# Altium PCB WUT-4-3-3.PcbDoc (part 3 of 4) (continued)
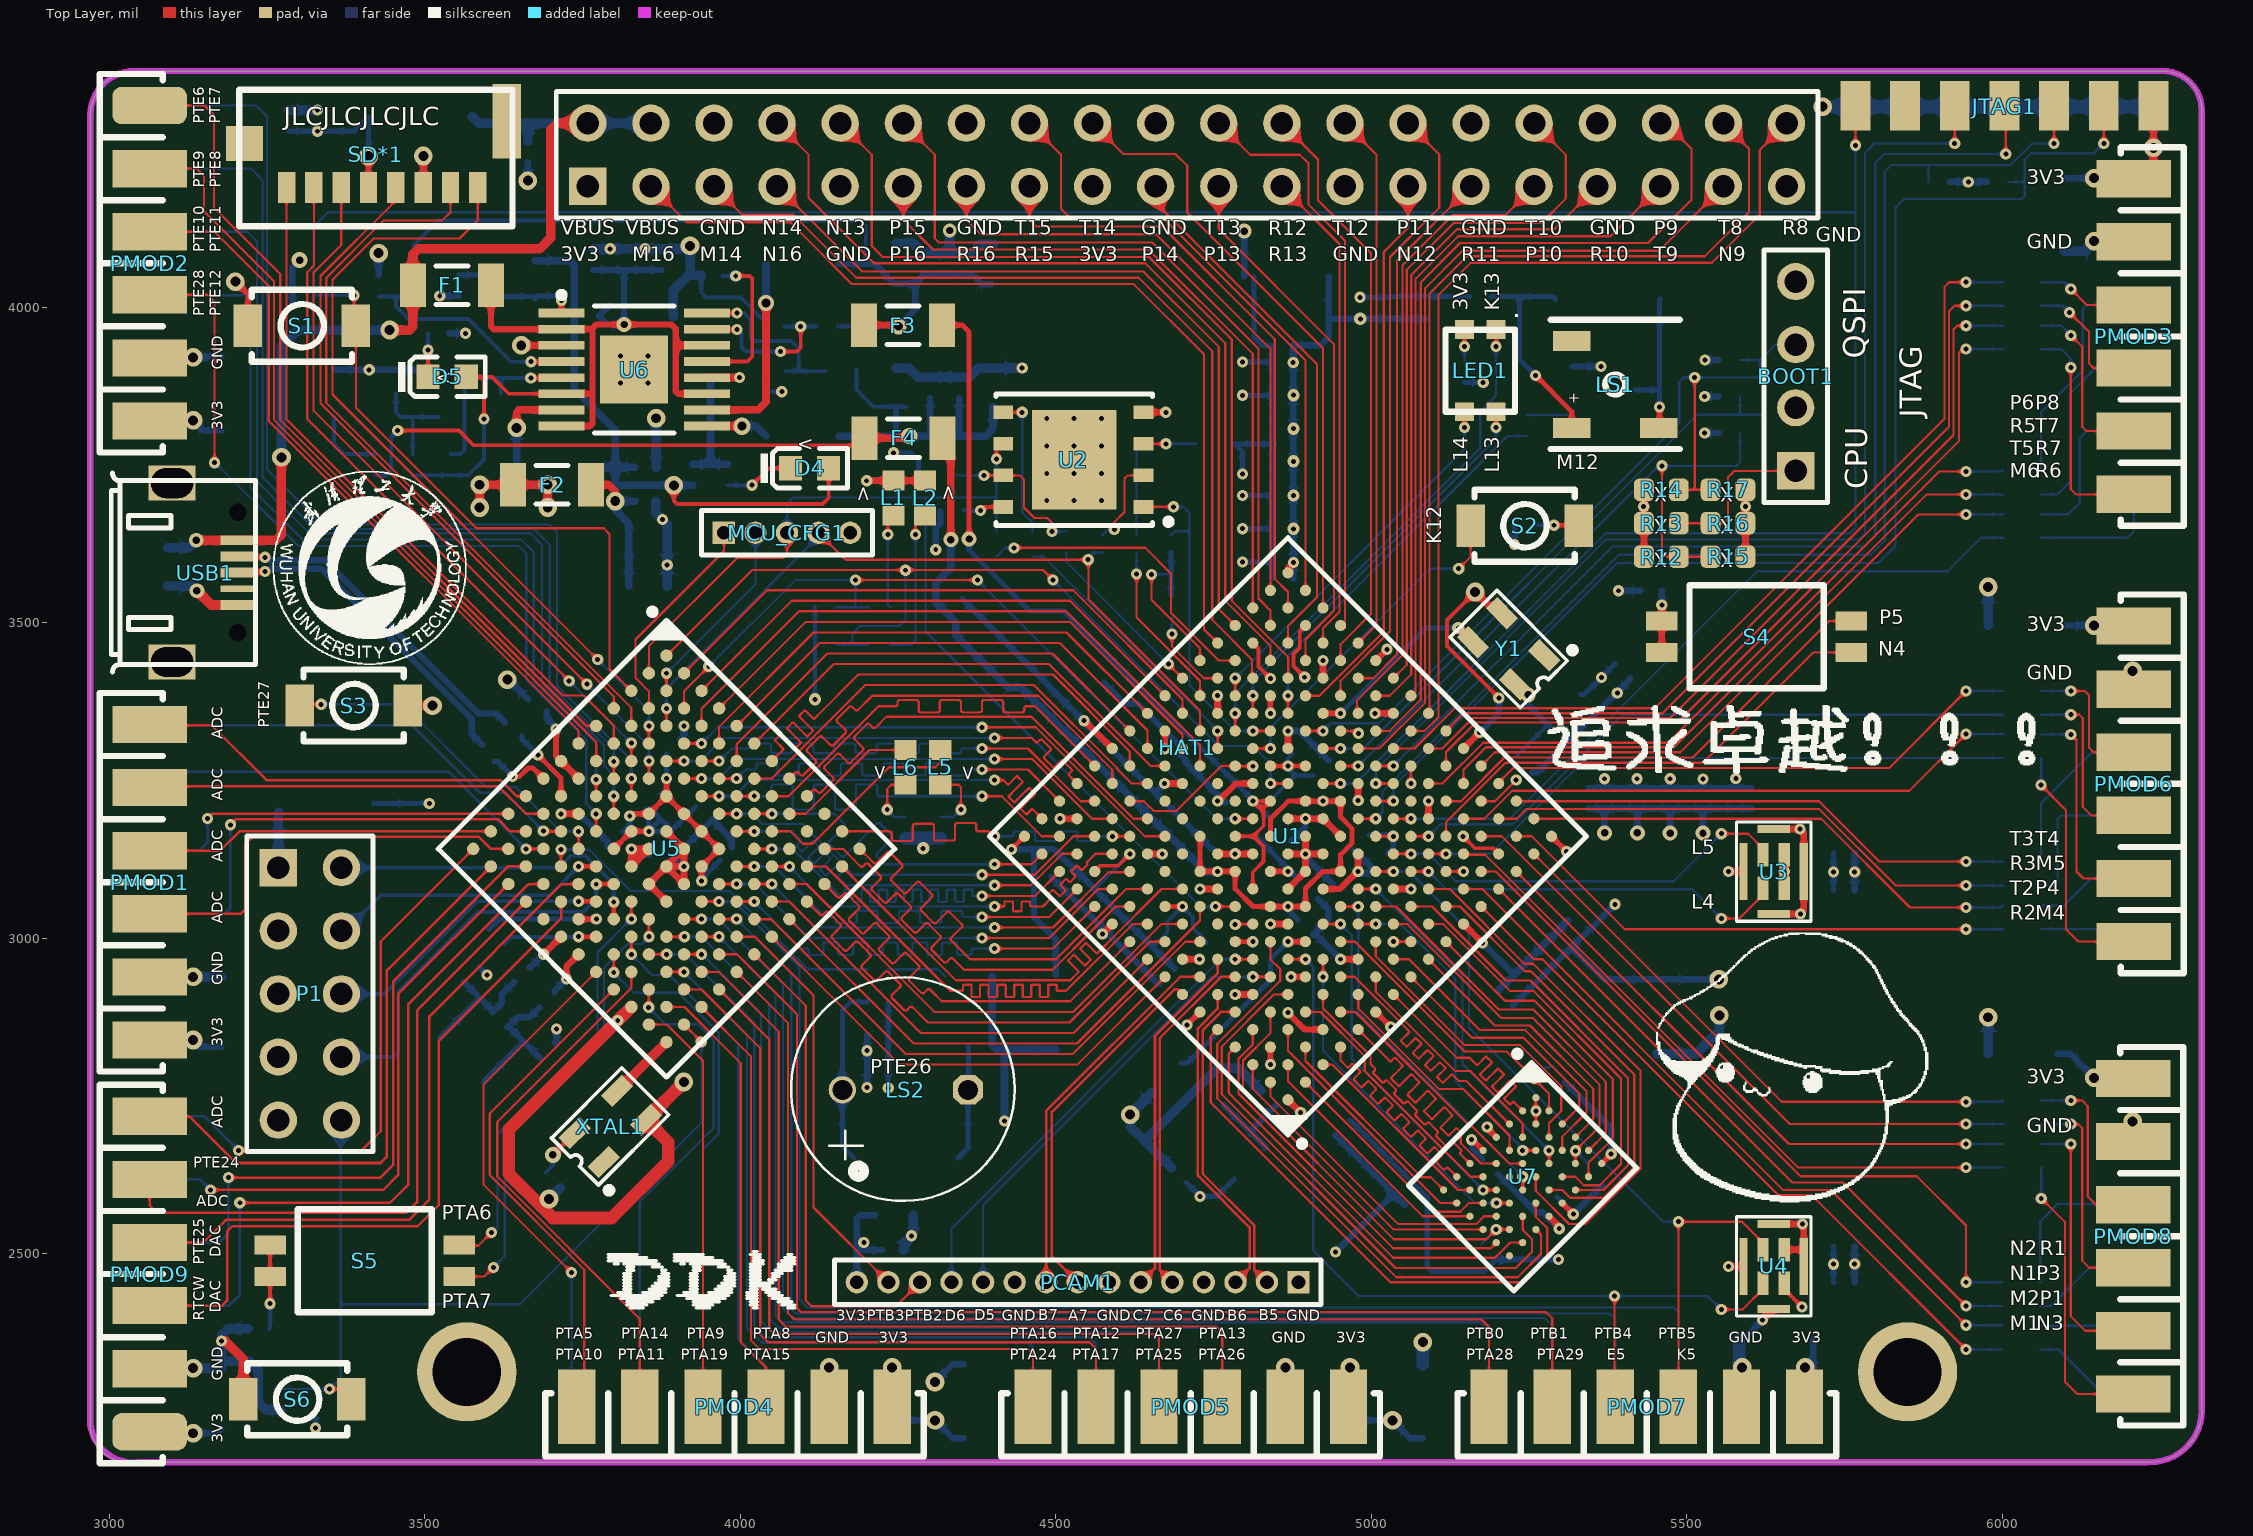
[diagram p0: Top Layer view]
## Nets (pads, with @x,y where several pads share a name; then routed paths per layer and width w, separated by ;. In a path a pad name is that pad's centre, name@x,y a point inside that pad or via, vN(x,y) a via of type N, cw(c..) or ccw(c..) an arc to the next point about the centre after c; other vN are vias at no path point) (continued)
  Top Layer w3.5: U7.B2@5261.1,2705.72 U7.A1@5261.1,2747.48 ; v1(5298.22,2539.84) 5298.22,2542.36 v1@5298.71,2542.84
  Top Layer w6: U1.N15@4812.48,3468.07 4821.46,3459.09 4821.46,3430.85 v1(4840.32,3411.99) ; v1(5146,3161.84) 5164.86,3142.98 5193.25,3142.98 U1.P2@5202.23,3134 ; v2(5164.88,3549.08) 5120.4,3504.61 5120.4,3463.3 v1(5202.45,3381.25)
  Top Layer w8: v2(3200,4041) 3219.74,4021.26 S1.1@3219.74,3971
  Top Layer w10: S3.2@3473,3369 v2(3512.37,3369) ; SD*1.6@3497.61,4190 3498,4190.39 v2(3498,4240) ; v2@3649,3939.97 U6.3@3716.84,3939.97 ; v1@3716.6,3197.52 U5.H3@3743.97,3197.52 ; U5.H8@3883.16,3058.32 U5.H7@3855.32,3086.16 U5.G7@3883.16,3114 ; U5.F6@3883.16,3169.68 U5.F7@3911,3141.84 ; v1@4200.8,3725.56 L1.2@4243,3725.56 L2.2@4293,3725.56 ; v1(4506.74,3189.68) U1.C15@4534.1,3189.68 ; v1(4545,3345) 4545.81,3345 U1.F16@4589.77,3301.03 ; v1(4574,3007) 4574.13,3007 U1.A11@4589.77,3022.64 ; U2.4@4639.46,3833.84 v1(4674.67,3833.84) ; U1.D12@4645.45,3134 v1(4669,3134) ; v1(4672.77,3245.36) U1.G13@4701.13,3245.36 ; U1.B8@4701.13,2966.97 v1(4728.06,2966.97) ; v1(4728.97,3078.32) U1.E9@4756.81,3078.32 ; U1.F10@4756.81,3134 U1.G9@4812.48,3134 ; U1.K14@4756.81,3356.71 v1(4756.81,3384.68) ; v1@4757,3217 4785.36,3245.36 U1.J11@4812.48,3245.36 ; v1(4784.65,2911.29) U1.C5@4812.48,2911.29 ; v1(4840.32,3022.64) U1.F6@4868.16,3022.64 ; U1.A1@4868.16,2744.26 v1(4888.42,2724) ; v1(4868.16,2882.24) 4875.93,2874.47 4887.02,2863.42 4894.79,2855.61 U1.D2@4923.84,2855.61 ; U1.J9@4868.16,3189.68 U1.K8@4923.84,3189.68 U1.K7@4951.68,3161.84 ; U1.L11@4868.16,3301.03 v1(4868.16,3328.87) ; U1.T16@4868.16,3579.42 4868.16,3587.16 v1(4877.01,3596.01) ; U1.H6@4923.84,3078.32 4950.51,3078.32 4975.19,3103 4979.52,3103 U1.K6@4979.52,3134 ; U1.P12@4923.84,3412.39 v1(4923.84,3440.23) ; v1(4951.68,2966.97) U1.G3@4979.52,2966.97 ; v1(4979.52,3218.5) U1.M8@4979.52,3245.36 ; v1(5006.34,3356.71) U1.R9@5035.19,3356.71 ; U1.K4@5035.19,3078.32 v1(5063.03,3078.32) ; U1.N5@5090.87,3189.68 v1(5090.87,3217.52) ; U1.L1@5146.55,3022.64 v1(5176.73,2992.46) ; U1.T6@5146.55,3301.03 v1(5172.15,3326.63) v1@5173.22,3326.63 ; v2(5164.88,3549.08) Y1.2@5195.57,3518.39 ; v1@5183.22,2700.08 U7.D1@5198.47,2684.84 ; U7.E6@5281.98,2559.56 v1@5298.71,2542.84 ; v1(5566.24,2480) U4.6@5590.26,2480 ; v1(5566.24,3106) U3.6@5590.26,3106 ; R15.1@5593.28,3605 R16.1@5593.28,3658 v1(5593.28,3684.5) R17.1@5593.28,3711 ; v1(5620.52,2395.1) U4.5@5638,2412.58 ; U4.7@5638,2547.42 v1(5683.58,2547.42) 5685.74,2545.26 U4.8@5685.74,2508 ; U3.5@5638,3038.58 v1(5680.58,3038.58) 5685.74,3043.74 U3.8@5685.74,3106 5685.74,3167.26 v1(5679.58,3173.42) U3.7@5638,3173.42 ; U4.3@5654.73,2506.57 5684.31,2506.57 U4.8@5685.74,2508 ; U4.8@5685.74,2480 U4.8@5685.74,2508 ; U5.G7@3883.16,3114 3910,3114 v1@3911,3115 ; U5.G7@3883.16,3114 U5.G8@3911,3086.16 v1@3911,3115 ; U5.G7@3883.16,3114 U5.F7@3911,3141.84 ; v1@3911,3115 U5.F7@3911,3141.84
  Top Layer w15: v1(3178,2362) 3183.68,2362 3212.42,2333.26 S6.1@3212.42,2269.69
  Top Layer w16: v4(3139,3551) 3161.36,3528.64 USB1.5@3204,3528.64
  Top Layer w20: v2@3696,2587 3685.59,2576.59 3683.48,2576.59 ; U5.M10@3827.48,2891.29 v1(3806,2869.81) 3633.22,2697.03 3633.22,2626.84 3683.48,2576.59 ; v2(3910.78,2772.43) XTAL1.2@3850.62,2712.27 3886.22,2676.66 3886.22,2646.84 3796.22,2556.84 3703.22,2556.84 3683.48,2576.59
  Bottom Layer w6: R39.2@3938.27,4050.73 3938.27,4023.73 3946,4016 4001,4016 4037.27,3979.73 R47.1@4037.27,3970 ; R46.1@4038.27,3899 4038.27,3873.23 4045,3866.5 v1(4066,3866.5) ; 5225.66,2943.56 5227.44,2943.56
  Bottom Layer w8: C100.2@3586.06,2954.43 v1(3598.58,2941.9)
  Bottom Layer w10: v2(3133,3921) 3134.47,3922.47 C64.1@3178,3922.47 ; Q4.2@3356.19,3901.22 v1(3412,3901.22) Q3.2@3522.22,3901.21 ; R53.1@3427.04,4051.01 v2(3427.04,4086) ; v1(3523.85,4018.27) R52.1@3554,4018.27 ; R51.1@3538.73,3959 v1(3564.94,3959) ; v2@3632,3411 R55.1@3664.17,3378.83 ; v2(3663.58,4201) C62.1@3663.58,4230.27 ; C99.2@3706.16,2834.67 3709,2837.51 v1(3709,2856.28) ; v1@3716.6,3197.52 3745.14,3197.52 3763.99,3178.66 3764.29,3178.66 3790.17,3152.78 C103.1@3790.17,3145.52 ; v3@3846.73,3930.16 v3(3853.65,3923.24) ; R61.2@3878.7,3109 3878.7,3110.97 3896.36,3128.64 ; C102.1@3904.83,3315.83 3911,3322 v1(3911,3336.71) ; v1@3911,3115 3897.36,3128.64 3896.36,3128.64 ; C104.1@3986.83,3144.36 3986.83,3156.66 3955.61,3187.88 3896.36,3128.64 ; v1(4201.27,2763.72) C66.1@4201.27,2797 C65.1@4201.27,2847 ; v2(4308.81,2296.82) 4337.16,2325.16 C69.1@4354,2325.16 ; v1(4310,3616) 4310,3650.35 4317.27,3657.61 C1.2@4317.27,3677 ; C35.1@4352.49,3537.67 4489.45,3400.71 C22.1@4489.45,3399.13 4658,3230.58 ; C25.1@4493.02,3097.89 v1@4579.44,3011.46 ; v1(4574,3007) 4578.46,3011.46 v1@4579.44,3011.46 ; C44.1@4576.08,3405.17 4609.24,3372 4630.16,3372 4695.43,3306.74 4695.43,3293.35 C46.1@4707.95,3280.82 ; C30.1@4664.65,2928.08 4662.83,2928.08 v1@4579.44,3011.46 ; v1(4672.77,3245.36) 4658,3230.58 ; C46.1@4705.46,3279.17 4769.17,3215.46 C43.1@4769.17,3215.17 ; C59.1@4748.16,3141.84 4746.74,3141.84 4658,3230.58 ; v1(4868.16,3328.87) 4885.79,3328.87 C47.1@4899.32,3315.35 ; C6.2@4872.83,3153.83 4896,3177 v1(4896,3189.68) 4924.66,3189.68 C32.1@4929.17,3185.17 ; C49.1@4876.58,3570 C50.1@4876.58,3622.86 C51.1@4876.58,3675.71 C52.1@4876.58,3728.57 C53.1@4876.58,3781.43 C54.1@4876.58,3834.29 C55.1@4876.58,3887.14 v1(4876.58,3913) C56.1@4876.58,3940 ; C56.1@4878.85,3940 4920.08,3940 4932.81,3952.73 4932.81,3982 ; C47.1@4899.32,3316.67 C47.1@4899.32,3315.35 ; L3.1@4916.17,3062.17 4932,3046.34 4932,3029.57 C21.1@4907.83,3005.4 4913.24,3005.4 v1(4951.68,2966.97) ; C18.1@4932.81,4049 4932.81,3982 ; C48.1@4932.83,3281.83 C47.1@4899.32,3315.35 ; C10.1@4942.97,2688.04 5035.77,2595.24 ; v1(4943.53,2503) 5035.77,2595.24 ; C9.2@4973.17,3140.17 C8.2@5002.17,3111.17 4994,3103 v1@4979.52,3103 ; C13.1@5053.54,2578.01 5053,2578.01 5035.77,2595.24 ; C61.1@5086.96,3982.11 4932.92,3982.11 4932.81,3982 ; v1@5173.22,3326.63 5202.45,3355.86 v1(5202.45,3381.25) ; v1@5176.76,2992.46 5225.66,2943.56 ; C108.1@5201.33,2626.17 5261.33,2566.17 5271.89,2566.17 v1(5298.22,2539.84) ; v1(5227.27,3624.43) R35.2@5227.27,3654.83 ; C3.1@5255.83,3263.17 5263.23,3263.17 5410.83,3410.77 C2.1@5410.83,3412.17 ; Q1.2@5319.79,3906.4 v1(5364.6,3906.4) ; C36.1@5344,3205.58 5370,3205.58 ; v4(5370,3167.26) 5370,3205.58 ; v1(5392,3551) R37.2@5427.27,3551 ; v4(5422,3167.26) 5422,3205.58 ; v4(5474,3166.87) 5474,3205.58 ; v4(5526,3166.97) 5526,3205.58 ; v1(5528.72,3858.83) R10.2@5551.27,3858.83 ; C72.1@5586.38,2360.96 v1(5620.52,2395.1) ; C41.1@5604,3205.58 C40.1@5552,3205.58 5526,3205.58 ; C81.1@5766.42,2512 v1(5766.42,2484) 5766.42,2455.32 C80.1@5766.73,2455 ; C75.1@5766.42,3075.81 v1(5766.42,3105.4) C76.1@5766.42,3135 ; v2(5978,2875) v2@5978.34,2874.66 ; 5370,3205.58 C37.1@5396,3205.58 5422,3205.58 ; 5422,3205.58 C38.1@5448,3205.58 5474,3205.58 ; 5474,3205.58 C39.1@5500,3205.58 5526,3205.58
  Bottom Layer w12: Q2.2@4399.4,2940.04 4399.4,2830.31 4405.76,2823.95 4419,2823.95 ; v1(4419,2710.73) 4419,2823.95 ; C42.1@4500,2823.95 4419,2823.95 ; C17.1@5201.87,2917.45 5201.87,2918 5227.44,2943.56 C14.1@5311.9,3028.03
  Bottom Layer w15: PMOD1.8@3064,2939 v2(3133,2939) C67.1@3178,2939 ; C63.1@3093,3558.52 3131.48,3558.52 v4(3139,3551) ; v2@3125.1,3921 v2(3133,3921) C64.1@3151.13,3921 ; v2@3127,2319 v2(3133,2319) 3178,2319 C78.1@3178,2329.66 ; R38.2@3220.27,2381 3188,2381 3178,2371 v1(3178,2362) C78.1@3178,2329.66 ; C98.1@3271.83,2252.27 3248.73,2252.27 3236,2265 3236,2316 3222.34,2329.66 C78.1@3178,2329.66 ; C73.1@3284,4312.73 v1(3330.27,4312.73) ; v2@3696,2587 v2(3696.99,2587) C106.1@3714.99,2605.01 ; C84.1@3767,4092.73 C82.1@3875,4092.73 3915.79,4092.73 v2(3920.58,4097.53) 3920.58,4050.73 ; C94.1@3866.45,3693 3866.45,3674.3 v1(3876.75,3664) 3884.32,3656.43 v1(3884.32,3592) C96.1@3884.32,3558 ; C95.1@3866.73,3746.79 v2(3866.73,3824.36) ; C93.1@3893.66,3986 3893.66,4026.66 3917.73,4050.73 3920.58,4050.73 ; R39.2@3938.27,4050.73 3920.58,4050.73 ; C87.1@4247,3903.32 4268,3903.32 4281.58,3889.73 C86.1@4301,3889.73 C85.1@4347,3889.73 4363.28,3889.73 4377.55,3904 v1(4447,3904) ; C91.1@4247,4102 4273.89,4102 4291.16,4084.73 C89.1@4301,4084.73 4332,4084.73 ; C79.2@4258.73,2506 4260,2507.27 4260,2517.11 4274.6,2531.71 C77.2@4274.6,2561 ; v8(4332,4122) 4332,4084.73 ; C92.1@4402.12,4100.31 4380.31,4100.31 4364.73,4084.73 C90.1@4347,4084.73 4332,4084.73 ; Y2.2@4653.77,2756.43 v2(4618,2720.66) 4618,2702 4640.43,2679.57 ; C4.1@4683.17,2636.83 4640.43,2679.57 ; C5.1@4825.17,2758.83 4790,2794 4756,2794 4641.57,2679.57 4640.43,2679.57 ; C31.1@5453,2816.95 5514.94,2816.95 5552,2854 v2(5552,2878) ; v2(5978,3557) 5978.34,3556.66 C71.1@5978.34,3496 ; C74.1@5978.34,2817 v2@5978.34,2874.66 ; C68.1@6098.47,4089.34 6130.34,4089.34 v2(6146,4105) 6147,4104 PMOD3.8@6209,4104
  Bottom Layer w20: R34.2@4262,3158.92 4290,3158.92 ; v5(4290,3142.62) 4290,3158.92 ; R33.2@4318.02,3158.92 4290,3158.92 ; C70.1@5082,2325.16 v2(5082,2360) ; C72.1@5583.34,2364 5583.34,2317.34 v2@5588,2322 ; v2(5715.72,4318.28) JTAG1.13@5767.56,4318.28 JTAG1.11@5846.3,4318.28 JTAG1.9@5925.04,4318.28 JTAG1.7@6003.78,4318.28 JTAG1.5@6082.52,4318.28 JTAG1.3@6161.26,4318.28 JTAG1.1@6240,4318.28
  other v1: 4271.72,2528.64 5184,2701 5261.1,2726.61 4201,2822 4979.52,3106.16 3911,3114 4784.65,3134.02 3716.23,3197.52 4756.81,3217.52 5390.16,3388.74 4200.55,3725.32 3794,4093 3849.03,4093
  other v2: 4141,2320 4864,2320 5588,2320 6207,2710 3631,3410 6207,3424 3653,3940
  other v3: 4485.92,3693.88 4529.22,3693.88 4572.53,3693.88 4485.92,3737.19 4529.22,3737.19 4572.53,3737.19 4485.92,3780.49 4529.22,3780.49 4572.53,3780.49 4485.92,3823.8 4529.22,3823.8 4572.53,3823.8 3810.35,3879.93 3853.65,3879.93 3810.35,3923.24
  other v5: 4877,3649.02 4877,3702 4877,3756 4877,3808 4877,3861 4983,3982
JTAG_TCK: P1.4 U5.J5 | length 448.5
  Top Layer w6: v1(3743.97,3114) U5.J5@3771.81,3114
  Bottom Layer w6: P1.4@3368,3006 3430.34,3068.34 3698.31,3068.34 v1(3743.97,3114)
JTAG_TDI: P1.8 U5.J6 | length 614.4
  Top Layer w6: v1@3772.22,3086.16 U5.J6@3799.64,3086.16
  Bottom Layer w6: P1.8@3368,2812 3450,2812 3458,2820 3458,2916 3583.98,3041.98 3750.95,3041.98 3771.9,3062.93 v1(3771.9,3085.84)
JTAG_TDO: P1.6 U5.K6 | length 464.8
  Top Layer w6: v1(3743.97,3058.84) 3771.29,3058.84 U5.K6@3771.81,3058.32
  Bottom Layer w6: P1.6@3368,2912 3436,2912 3582.84,3058.84 v1(3743.97,3058.84)
JTAG_TMS: P1.2 U5.K7 | length 513.6
  Top Layer w6: U5.K7@3799.64,3030.48 v1(3799.64,3057.44)
  Bottom Layer w6: P1.2@3368,3112 3713,3112 3731.86,3130.86 3754.95,3130.86 3799.64,3086.16 v1(3799.64,3057.44)
LPTMR0: PMOD4.4 U5.M11 | length 657.5
  Top Layer w3.5: U5.M11@3855.32,2863.45 3883.55,2863.45 3941,2806 PMOD4.4@3941,2258
MIPICLK_N: PCAM1.8 U1.A7 | length 577.8
  Top Layer w4: PCAM1.8@4535,2455 4494,2496 4494,2725 4688.13,2919.13 4693.29,2919.13 U1.A7@4701.13,2911.29
MIPICLK_P: PCAM1.9 U1.B7 | length 603.7
  Top Layer w4: PCAM1.9@4484.86,2455 4484.86,2726.47 4697.52,2939.13 U1.B7@4728.97,2939.13
MIPILANE0_N: PCAM1.2 U1.B5 | length 505.3
  Top Layer w4: U1.B5@4784.64,2883.45 4762.11,2883.45 4733,2854.34 4733,2627 4815,2545 4815,2475 PCAM1.2@4835,2455
MIPILANE0_P: PCAM1.3 U1.B6 | length 512.5
  Top Layer w4: U1.B6@4756.81,2911.29 4756.81,2888.75 4725.5,2857.45 4725.5,2623.89 4807.5,2541.89 4807.5,2477.5 PCAM1.3@4785,2455
MIPILANE1_N: PCAM1.5 U1.C6 | length 555.2
  Top Layer w4: PCAM1.5@4685,2455 4665,2475 4665,2842.02 4762.11,2939.13 U1.C6@4784.64,2939.13
MIPILANE1_P: PCAM1.6 U1.C7 | length 562.4
  Top Layer w4: PCAM1.6@4635,2455 4657.5,2477.5 4657.5,2845.13 4756.81,2944.43 U1.C7@4756.81,2966.97
MODE0: R11.1 R12.1 R15.2 U1.M9 | length 1095.3
  Top Layer w3.5: U1.M9@4951.68,3273.19 v1(4979.52,3273.19) ; v1(5461,3749) 5461,3613 5469,3605 R15.2@5538.16,3605
  Bottom Layer w3.5: v1(4979.52,3273.19) 5455.16,3748.84 5579.05,3748.84 5584.73,3754.52 R11.1@5584.73,3800.92
MODE1: BOOT1.1 R10.1 R13.1 R16.2 U1.M10 | length 1337.7
  Top Layer w3.5: U1.M10@4923.84,3301.03 v1(4951.68,3301.03) ; R13.1@5487.56,3658 R16.2@5538.16,3658 5559,3658 5565.72,3664.72 5565.72,3730.72 5576,3741 BOOT1.1@5673,3741
  Bottom Layer w3.5: v1(4951.68,3301.03) 4988.03,3301.03 5517,3830 5585,3830 ; R10.1@5584.73,3858.83 5584.73,3830.27 5585,3830 ; BOOT1.1@5673,3741 5629,3741 5623,3747 5623,3824 5617,3830 5585,3830
MODE2: BOOT1.3 R9.1 R14.1 R17.2 U1.M11 | length 1341.8
  Top Layer w3.5: U1.M11@4896,3328.87 v1(4923.84,3328.87) ; R14.1@5487.56,3711 5512.86,3711 ; v1(5512.86,3888.86) 5512.86,3711 ; R17.2@5538.16,3711 5512.86,3711
  Bottom Layer w3.5: v1(4923.84,3328.87) 4935.97,3341 5012.71,3341 5488.36,3816.66 5488.36,3881.36 5496,3889 5611,3889 5616.73,3894.73 5616.73,3916.73 ; R9.1@5584.73,3916.73 5616.73,3916.73 ; BOOT1.3@5673,3941 5641,3941 5616.73,3916.73
n_RST: C98.2 P1.10 R56.1 S6.2 U5.L12 | length 1410.9
  Top Layer w3.5: v1(3349.36,2285.73) 3367.63,2285.73 S6.2@3383.68,2269.69 ; U5.L12@3911,2863.45 v1(3938.45,2836) v1@3938.84,2836
  Bottom Layer w3.5: C98.2@3271.83,2285.73 R56.1@3326.83,2285.73 v1(3349.36,2285.73) 3367,2303.37 3367,2420 ; P1.10@3368,2712 3367,2711 3367,2420 ; v1@3938.84,2836 3938.84,2707.84 3651,2420 3367,2420
NetC3_2: C3.2 FB2.2 Y1.4 | length 134.6
  Bottom Layer w6: C3.2@5230.17,3288.83 5278.56,3337.22 FB2.2@5282.22,3337.22
  Bottom Layer w10: v4(5249,3386) 5249,3370.45 FB2.2@5282.22,3337.22
NetC5_2: C5.2 FB1.2 Y2.4 | length 153.1
  Bottom Layer w10: Y2.4@4766.56,2735.57 4807.56,2694.56 ; FB1.2@4832.28,2667.78 4832.28,2669.85 4807.56,2694.56 ; C5.2@4848.83,2735.17 4808.23,2694.56 4807.56,2694.56
NetC6_1: C6.1 C7.1 L4.2 U1.G8 | length 123.6
  Top Layer w8: U1.G8@4840.32,3106.16 4867.16,3106.16 v1@4868,3107
  Bottom Layer w8: L4.2@4817.17,3162.17 C6.1@4849.17,3130.17 4849.17,3129.33 C7.1@4884.17,3094.33
  other v1: 4868.15,3106.14
NetC99_1: C99.1 R57.2 R58.2 Y3.2 | length 225.5
  Bottom Layer w10: Y3.2@3594.02,2772.8 3657.22,2836 3657.22,2836.28 ; R57.2@3682.39,2890.77 3666.47,2874.84 3646.89,2874.84 R58.2@3631.06,2859.01 3634.49,2859.01 3657.22,2836.28 ; C99.1@3682.49,2811.01 3657.22,2836.28
NetC100_1: C100.1 R58.1 R59.2 Y3.1 | length 218.7
  Bottom Layer w10: Y3.1@3524.43,2842.4 3587.22,2905.19 3587.22,2905.94 ; C100.1@3562.39,2930.77 3587.22,2905.94 ; R59.2@3641.84,2930.77 3622.22,2911.15 3622.22,2897.5 R58.1@3607.39,2882.67 3607.39,2885.77 3587.22,2905.94
NetD2_1: D2.1 LS1.2 Q1.3 | length 244
  Top Layer w8: LS1.2@5455.9,3809.1 5457.21,3810.42 v1(5457.21,3842)
  Bottom Layer w8: Q1.3@5418.21,3869 5456.21,3869 5457.21,3870 ; v1(5457.21,3842) 5457.21,3870 ; D2.1@5457.68,4013 5457.21,4012.54 5457.21,3870
NetD2_2: D2.2 LS1.1 R29.1 | length 347.3
  Top Layer w8: v1(5260.73,3892.24) 5318.1,3834.87 LS1.1@5318.1,3809.1
  Bottom Layer w8: R29.1@5189.73,4017.54 5235,4017.54 ; v1(5260.73,3892.24) 5235,3917.98 5235,4017.54 ; D2.2@5292.32,4013 5287.78,4017.54 5235,4017.54
NetD3_1: D3.1 LS2.2 Q2.3 | length 183.7
  Bottom Layer w8: D3.1@4345.35,2652 4360.97,2667.62 LS2.2@4360.97,2760 4362,2761.03 Q2.3@4362,2828.79
NetD3_2: D3.2 LS2.1 R32.1 | length 286.3
  Bottom Layer w8: D3.2@4180,2652 4161.97,2670.02 LS2.1@4161.97,2760 4161.97,2886.3 4174.67,2899 R32.1@4201.27,2899
NetD4_K: D4.K R50.2 | length 110.6
  Top Layer w6: v1(4018.71,3718.27) 4045.44,3745 D4.K@4079.69,3745
  Bottom Layer w6: R50.2@3980.17,3718.27 v1(4018.71,3718.27)
NetD5_K: D5.K R51.2 | length 69
  Top Layer w6: D5.K@3505.25,3890 v1(3505.25,3932.25)
  Bottom Layer w6: v1@3505.27,3932.27 R51.2@3505.27,3959
NetD6_2: D6.2 P1.1 | length 88.3
  Bottom Layer w15: P1.1@3268,3112 3268,3199.24 D6.2@3268.76,3200
NetL1_1: L1.1 R7.1 | length 150.7
  Top Layer w3.5: v1(4234,3640) 4234,3661.44 L1.1@4243,3670.44
  Bottom Layer w3.5: v1(4234,3640) 4234,3528.73 R7.1@4237.73,3525
NetL2_1: L2.1 R8.1 | length 247.5
  Top Layer w3.5: v1(4277.69,3640) 4277.69,3655.13 L2.1@4293,3670.44
  Bottom Layer w3.5: R8.1@4237.73,3465 4270.35,3465 4277.77,3472.43 4277.77,3639.91 v1(4277.69,3640)
NetL5_2: L5.2 R33.1 | length 94.7
  Top Layer w3.5: L5.2@4329,3243.44 4346.27,3243.44 4349.79,3239.92 v1(4349.79,3204)
  Bottom Layer w3.5: R33.1@4318.02,3192.38 4338.17,3192.38 v1(4349.79,3204)
NetL6_2: L6.2 R34.1 | length 86.5
  Top Layer w3.5: v1(4233.15,3204) 4233.15,3237.01 4239.58,3243.44 L6.2@4250,3243.44
  Bottom Layer w3.5: v1(4233.15,3204) 4233.15,3203.52 4244.28,3192.38 R34.1@4262,3192.38
NetL7_2: L7.2 U6.7 | length 168.5
  Top Layer w12: v2(3645.8,3809.1) 3645.8,3833.91 3649.49,3837.61 U6.7@3716.84,3837.61
  Bottom Layer w12: v2(3645.8,3809.1) 3645.8,3738.13 L7.2@3645.93,3738
NetL8_1: L8.1 U6.10 | length 318.3
  Top Layer w12: U6.10@3947.16,3837.61 4028.4,3837.61 4041,3850.2 v6(4041,4007)
  Bottom Layer w10: L8.1@4039.93,4069 L8.1@4041,4067.93
  Bottom Layer w12: v6(4041,4007) L8.1@4041,4067.93
NetL9_1: L9.1 U6.9 | length 100.4
  Top Layer w12: U6.9@3947.16,3812.02 v9(4003,3812)
  Bottom Layer w10: L9.1@4040.32,3796.61 L9.1@4040.93,3796
  Bottom Layer w12: v9(4003,3812) 4024.93,3812 L9.1@4040.32,3796.61
NetLED1_2: LED1.2 R30.2 | length 49
  Top Layer w3.5: v1@5148,3939 LED1.2@5148,3964.73
  Bottom Layer w3.5: R30.2@5148,3914.73 v1(5148,3938)
NetPMOD3_3: PMOD3.3 Rp2.1 | length 161.8
  Top Layer w3.5: v1(6109,4029.46) 6134.46,4004 PMOD3.3@6209,4004
  Bottom Layer w3.5: Rp2.1@6062.12,4040 6098.47,4040 v1(6109,4029.46)
NetPMOD3_4: PMOD3.4 Rp2.2 | length 217
  Top Layer w3.5: v1(6107,3992) 6138,3961 6138,3911 6145,3904 PMOD3.4@6209,3904
  Bottom Layer w3.5: Rp2.2@6062.12,4002.59 6096.41,4002.59 v1(6107,3992)
NetPMOD3_5: PMOD3.5 Rp2.3 | length 290.3
  Top Layer w3.5: v1(6109,3955.74) 6127,3937.74 6127,3811 6134,3804 PMOD3.5@6209,3804
  Bottom Layer w3.5: Rp2.3@6062.12,3971.1 6093.65,3971.1 v1(6109,3955.74)
NetPMOD3_6: PMOD3.6 Rp2.4 | length 363.6
  Top Layer w3.5: v1(6109,3905) 6109,3711.74 6117,3703.74 6208.74,3703.74 PMOD3.6@6209,3704
  Bottom Layer w3.5: Rp2.4@6062.12,3933.7 6094.3,3933.7 6109,3919 v1(6109,3905)
NetPMOD3_9: PMOD3.9 Rp1.1 | length 367.5
  Bottom Layer w3.5: Rp1.1@6061.81,3741.15 6061.81,3833.81 6128,3900 6128,3997.54 6134.46,4004 PMOD3.9@6209,4004
NetPMOD3_10: PMOD3.10 Rp1.2 | length 312.2
  Bottom Layer w3.5: Rp1.2@6061.81,3703.74 6087.74,3703.74 6108,3724 6108,3864 6148,3904 PMOD3.10@6209,3904
NetPMOD3_11: PMOD3.11 Rp1.3 | length 262
  Bottom Layer w3.5: Rp1.3@6061.81,3672.25 6105.13,3672.25 6123,3690.12 6123,3793 6134,3804 PMOD3.11@6209,3804
NetPMOD3_12: PMOD3.12 Rp1.4 | length 210.2
  Bottom Layer w3.5: Rp1.4@6061.81,3634.85 6198.59,3634.85 6209,3645.26 PMOD3.12@6209,3704
NetPMOD6_3: PMOD6.3 Rp4.1 | length 235.7
  Top Layer w3.5: v1(6109,3392) 6131,3392 6138,3385 6138,3302 6145,3295 PMOD6.3@6209,3295
  Bottom Layer w3.5: Rp4.1@6062.12,3392 v1(6109,3392)
NetPMOD6_4: PMOD6.4 Rp4.2 | length 295.2
  Top Layer w3.5: v1(6109,3354.59) 6122.41,3354.59 6128,3349 6128,3208.58 6141.58,3195 PMOD6.4@6209,3195
  Bottom Layer w3.5: Rp4.2@6062.12,3354.59 v1(6109,3354.59)
NetPMOD6_5: PMOD6.5 Rp4.3 | length 363.3
  Top Layer w3.5: v1(6109,3323.1) 6118,3314.1 6118,3106 6129,3095 PMOD6.5@6209,3095
  Bottom Layer w3.5: Rp4.3@6062.12,3323.1 v1(6109,3323.1)
NetPMOD6_6: PMOD6.6 Rp4.4 | length 403.3
  Top Layer w3.5: v1(6061.81,3243) 6101.52,3203.29 6101.52,3014.48 6121,2995 PMOD6.6@6209,2995
  Bottom Layer w3.5: v1(6061.81,3243) 6062.12,3243.32 Rp4.4@6062.12,3285.7
NetPMOD6_9: PMOD6.9 Rp3.1 | length 273.9
  Bottom Layer w3.5: Rp3.1@6061.81,3121 6061.81,3214.32 6142.48,3295 PMOD6.9@6209,3295
NetPMOD6_10: PMOD6.10 Rp3.2 | length 250.7
  Bottom Layer w3.5: Rp3.2@6061.81,3083.59 6080.59,3083.59 6088,3091 6088,3189 6094,3195 PMOD6.10@6209,3195
NetPMOD6_11: PMOD6.11 Rp3.3 | length 165
  Bottom Layer w3.5: Rp3.3@6061.81,3052.1 6098.1,3052.1 6141,3095 PMOD6.11@6209,3095
NetPMOD6_12: PMOD6.12 Rp3.4 | length 155.4
  Bottom Layer w3.5: Rp3.4@6061.81,3014.7 6189.3,3014.7 PMOD6.12@6209,2995
NetPMOD8_3: PMOD8.3 Rp6.1 | length 298
  Top Layer w3.5: v1(6109,2743) 6127,2743 6136,2734 6136,2591 6149,2578 PMOD8.3@6208,2578
  Bottom Layer w3.5: Rp6.1@6062.12,2743 v1(6109,2743)
NetPMOD8_4: PMOD8.4 Rp6.2 | length 363.5
  Top Layer w3.5: v1(6109,2705.59) 6120.97,2705.59 6127,2699.56 6127,2489 6138,2478 PMOD8.4@6208,2478
  Bottom Layer w3.5: Rp6.2@6062.12,2705.59 v1(6109,2705.59)
NetPMOD8_5: PMOD8.5 Rp6.3 | length 428.5
  Top Layer w3.5: v1(6109,2674.1) 6109,2401 6132,2378 PMOD8.5@6208,2378
  Bottom Layer w3.5: Rp6.3@6062.12,2674.1 v1(6109,2674.1)
NetPMOD8_6: PMOD8.6 Rp6.4 | length 471.3
  Top Layer w3.5: v1(6062.12,2588) 6100,2550.12 6100,2297 6119,2278 PMOD8.6@6208,2278
  Bottom Layer w3.5: v1(6062.12,2588) Rp6.4@6062.12,2636.7
NetPMOD8_9: PMOD8.9 Rp5.1 | length 256
  Bottom Layer w3.5: Rp5.1@6060.44,2454.85 6060.44,2551.44 6088,2579 6207,2579 PMOD8.9@6208,2578
NetPMOD8_10: PMOD8.10 Rp5.2 | length 172.6
  Bottom Layer w3.5: Rp5.2@6060.44,2417.44 6077.44,2417.44 6138,2478 PMOD8.10@6208,2478
NetPMOD8_11: PMOD8.11 Rp5.3 | length 150.9
  Bottom Layer w3.5: Rp5.3@6060.44,2385.95 6200.05,2385.95 PMOD8.11@6208,2378
NetPMOD8_12: PMOD8.12 Rp5.4 | length 176.8
  Bottom Layer w3.5: Rp5.4@6060.44,2348.55 6089.45,2348.55 6160,2278 PMOD8.12@6208,2278
NetQ1_1: Q1.1 R31.2 | length 71.2
  Bottom Layer w3.5: R31.2@5246.74,3829.73 Q1.1@5317.92,3829.73
NetQ2_1: Q2.1 R36.2 | length 94.4
  Bottom Layer w3.5: R36.2@4234.73,2951 4313.64,2951 Q2.1@4324.6,2940.04
NetQ3_1: Q3.1 Q4.3 R45.1 | length 159.5
  Bottom Layer w6: Q4.3@3454.61,3863.81 3454.61,3833.9 3462.1,3826.41 3481,3826.41 Q3.1@3522.22,3826.41 ; 3481,3826.36 3481.04,3826.32 R45.1@3481.04,3767.54
NetQ4_1: Q4.1 R54.2 | length 114.9
  Bottom Layer w6: Q4.1@3356.19,3826.41 3356.19,3783.81 3372.46,3767.54 R54.2@3421.72,3767.54
NetR6_2: R6.2 U1.E7 | length 28
  Top Layer w3.5: v1(4784.64,3022.25) 4785.04,3022.64 U1.E7@4812.48,3022.64
NetR18_1: R18.1 U1.L15 | length 139.7
  Top Layer w3.5: v1(4684.22,3482.31) 4684.22,3462.84 4734.67,3412.39 U1.L15@4756.81,3412.39
  Bottom Layer w3.5: v1(4684.22,3482.31) R18.1@4684.22,3509.11
NetR19_1: R19.1 U1.M15 | length 494.5
  Top Layer w3.5: v1(4434,3619) 4642.06,3619 4683,3578.06 4683,3516.06 4758.84,3440.23 U1.M15@4784.64,3440.23
  Bottom Layer w3.5: R19.1@4406.22,3605.11 4420.12,3619 v1(4434,3619)
NetR20_1: R20.1 R25.2 U2.3 | length 272.4
  Top Layer w3.5: U2.3@4639.46,3783.84 v1(4674.75,3783.84)
  Bottom Layer w3.5: R25.2@4628.4,3638.57 4628.4,3778.61 4633.63,3783.84 v1(4674.75,3783.84) R20.1@4723.27,3783.84
NetR22_1: R22.1 R24.1 U2.7 | length 246.5
  Top Layer w3.5: v1(4386.22,3733.84) U2.7@4417.02,3733.84 4443.16,3733.84 4450,3727 4450,3682.85 4466.46,3666.39 4486.81,3666.39 4494,3659.2 v1@4494,3645
  Bottom Layer w3.5: R22.1@4343.17,3734.84 4344.17,3733.84 v1(4386.22,3733.84) ; v1@4494,3645 v1(4494.27,3644.73) R24.1@4518.17,3644.73
NetR23_2: R23.2 U2.2 | length 143.4
  Top Layer w3.5: v1(4593,3648) 4593,3659.6 4609.22,3675.83 4609.22,3728.84 4614.22,3733.84 U2.2@4639.46,3733.84
  Bottom Layer w3.5: R23.2@4573.4,3638.57 4582.83,3648 v1(4593,3648)
NetR26_1: R26.1 U2.5 | length 226
  Top Layer w3.5: U2.5@4417.02,3833.84 v1@4447.22,3833.84
  Bottom Layer w3.5: v1@4447.22,3833.84 4447.22,3674.84 4463.4,3658.66 R26.1@4463.4,3644.73
  other v1: 4447,3833.84
NetR35_1: R35.1 S2.2 | length 68.6
  Top Layer w6: v1(5289.79,3654.83) 5328.17,3654.83 S2.2@5329,3654
  Bottom Layer w6: R35.1@5260.73,3654.83 v1(5289.79,3654.83)
NetR37_1: R37.1 S4.3 S4.4 | length 98.1
  Top Layer w10: v1(5460.73,3528.63) 5460.73,3453.27 S4.4@5461,3453
  Bottom Layer w10: v1(5460.73,3528.63) R37.1@5460.73,3551
NetR38_1: R38.1 S5.3 S5.4 | length 133.5
  Top Layer w6: v1(3255,2421) S5.4@3255,2464 S5.3@3255,2514
  Bottom Layer w6: R38.1@3253.73,2381 3255,2382.27 v1(3255,2421)
NetR39_1: R39.1 U6.13 | length 248.2
  Top Layer w6: U6.13@3947.16,3914.38 4011.38,3914.38 4019,3922 4019,4046 4015,4050 v1(3993,4050)
  Bottom Layer w6: R39.1@3971.73,4050.73 3972.46,4050 v1(3993,4050)